# KiCad board Batch 1.kicad_pcb (continued)
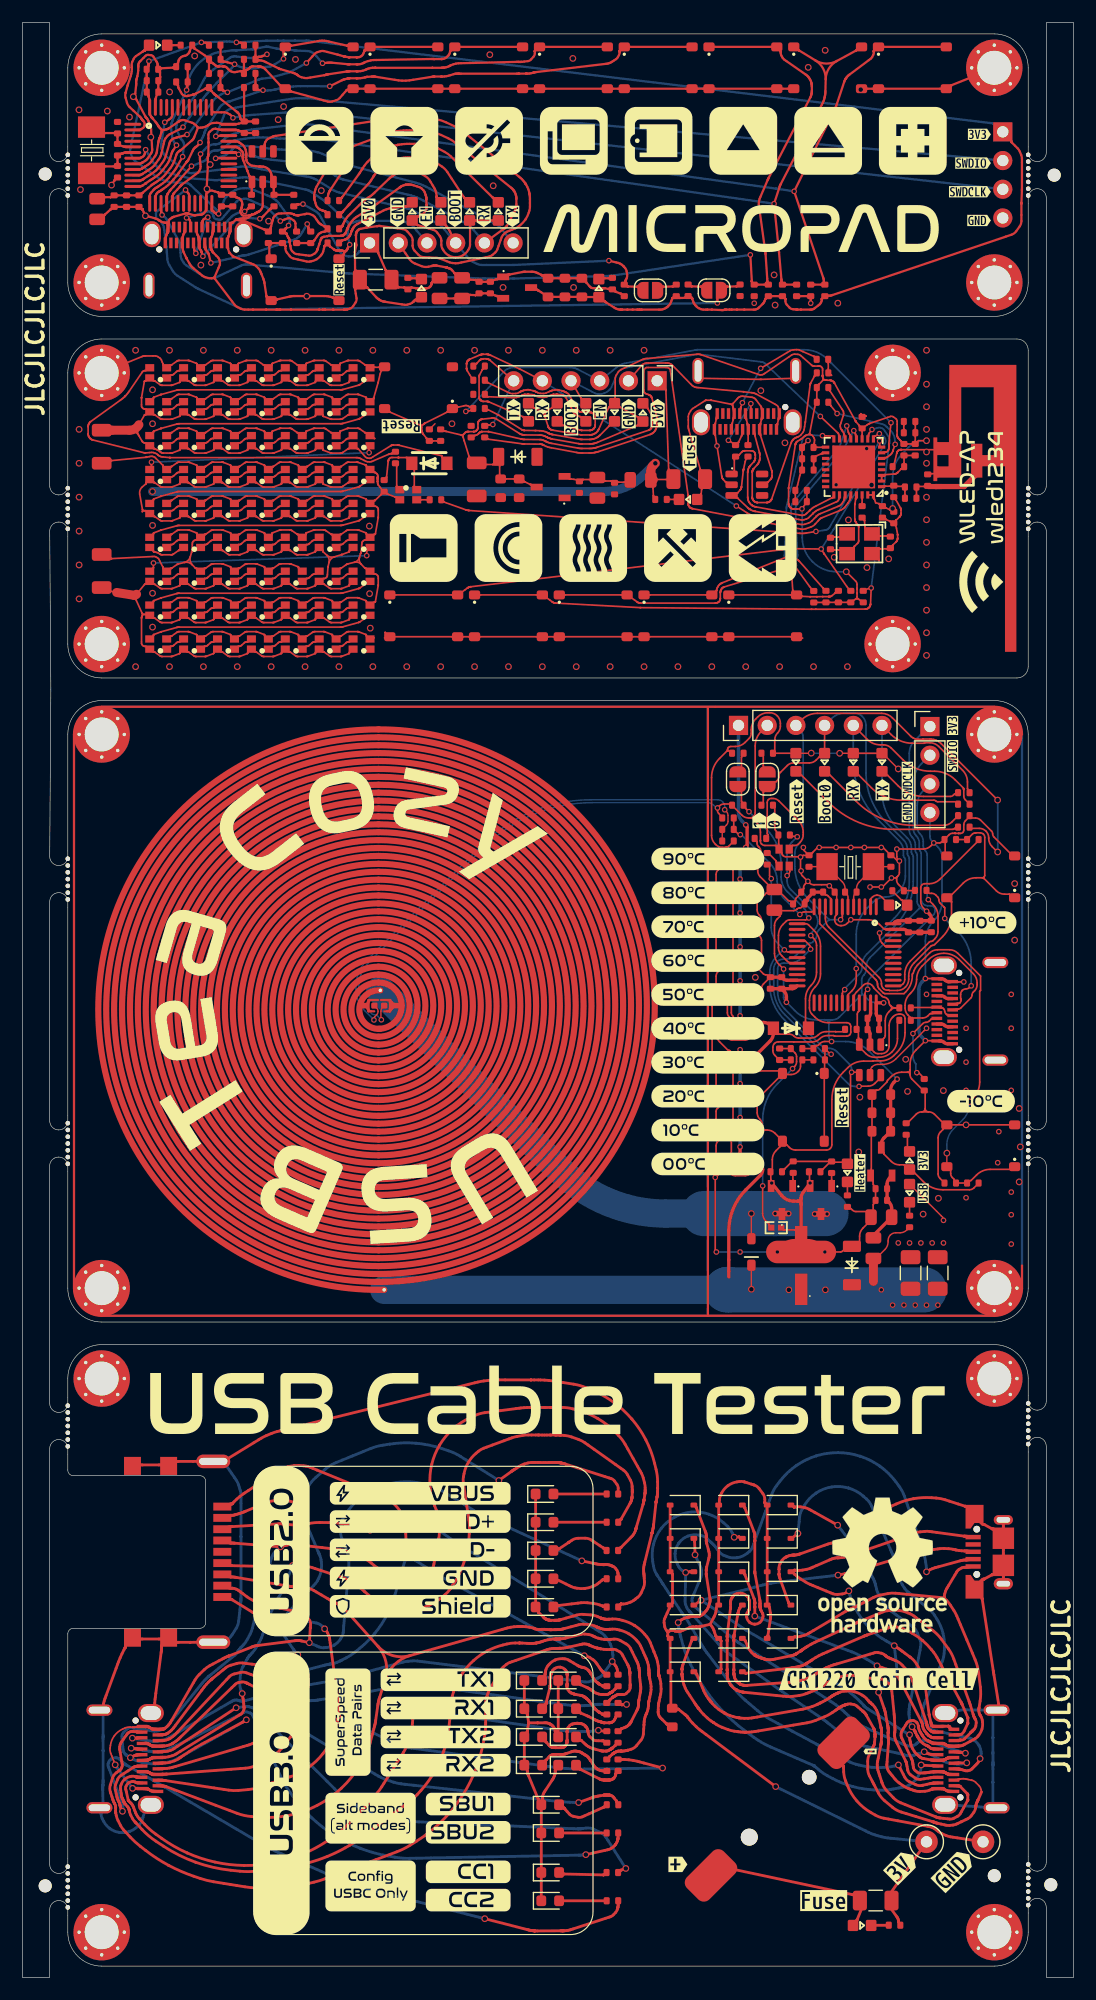
[diagram p0: board, top side]
## Routing (per net, layer and track width the routed paths; a pad name or vN(x,y) marks a point on that pad's centre or on a via; arc(x,y) is an arc through that point) (continued)
  Top w0.2: R3.1 24.31,156.9 arc(24.32,156.9) 24.32,156.9 24.32,156.9 arc(24.32,156.9) 24.32,156.9 24.33,156.9 arc(24.34,156.9) 24.35,156.9 24.37,156.9 arc(24.38,156.9) 24.39,156.9 arc(24.4,156.9) 24.41,156.91 v2(24.82,156.94) ; J2.1 31.42,152.79 arc(31.45,152.75) 31.46,152.7 31.46,152.64 arc(31.46,152.64) 31.46,152.63 31.46,152.62 arc(31.46,152.62) 31.47,152.61 arc(31.47,152.61) 31.47,152.61 32.13,151.09 arc(32.13,151.09) 32.14,151.08 32.14,151.08 arc(32.14,151.08) 32.14,151.08 arc(32.14,151.08) 32.14,151.08 32.41,150.64 arc(32.67,150.26) 32.96,149.91 33.27,149.58 arc(33.27,149.58) 33.27,149.58 arc(33.27,149.58) 33.27,149.58 33.27,149.58 arc(33.27,149.58) 33.28,149.58 33.78,149.55 arc(33.78,149.55) 33.78,149.55 arc(33.78,149.55) 33.78,149.55 arc(33.78,149.55) 33.79,149.55 33.94,149.47 arc(34.1,149.43) 34.26,149.47 34.41,149.55 arc(34.42,149.55) 34.42,149.55 34.42,149.55 arc(34.42,149.55) 34.43,149.55 34.79,149.5 arc(34.79,149.5) 34.8,149.5 arc(34.81,149.5) 34.81,149.5 34.83,149.5 arc(34.83,149.5) 34.84,149.5 35.71,149.5 arc(35.71,149.5) 35.72,149.5 35.72,149.5 arc(35.73,149.5) 35.73,149.5 35.73,149.5 arc(35.74,149.5) 35.74,149.5 arc(35.74,149.5) 35.74,149.5 35.8,149.49 arc(35.86,149.5) 35.91,149.52 36.02,149.58 arc(36.07,149.61) 36.1,149.66 36.16,149.78 arc(36.17,149.79) 36.17,149.8 arc(36.18,149.81) 36.18,149.82 36.19,149.85 arc(36.19,149.86) 36.19,149.87 36.22,149.96 arc(36.22,149.97) 36.22,149.97 arc(36.22,149.98) 36.22,149.98 36.22,149.99 arc(36.23,149.99) 36.23,149.99 36.23,149.99 arc(36.23,150) 36.23,150 arc(36.23,150) 36.23,150 36.23,150 arc(36.23,150) 36.23,150 36.24,150.01 arc(36.24,150.01) 36.24,150.01 36.24,150.01 arc(36.24,150.01) 36.24,150.01 arc(36.25,150.01) 36.25,150.01 FB1.1
  Top w0.3: v2(64,102) 64.06,101.94 arc(64.11,101.87) 64.12,101.79 64.12,100.21 arc(64.11,100.13) 64.06,100.06 v2(64,100) 64,99.67 ; C72.1 64.77,90.48 arc(64.74,90.46) 64.7,90.45 63.59,90.45 arc(63.55,90.46) 63.53,90.48 arc(63.51,90.5) 63.5,90.54 v2(63.5,91.2) ; 62.5,62 62.5,66.07 arc(62.89,68.03) 64,69.69 65.28,70.97 arc(65.44,71.21) 65.5,71.5 arc(65.44,71.79) 65.28,72.03 64.83,72.48 arc(64.8,72.49) 64.77,72.48 arc(64.74,72.46) 64.7,72.45 63.59,72.45 arc(63.55,72.46) 63.53,72.48 arc(63.51,72.5) 63.5,72.54 v2(63.5,73.5) ; v2(63.5,79.1) 63.5,78.54 arc(63.51,78.5) 63.53,78.48 arc(63.55,78.46) 63.59,78.45 64.7,78.45 arc(64.74,78.46) 64.77,78.48 C68.1 ; v2(63.5,76.1) 63.5,75.54 arc(63.51,75.5) 63.53,75.48 arc(63.55,75.46) 63.59,75.45 64.7,75.45 arc(64.74,75.46) 64.77,75.48 C65.1 ; C70.1 64.77,96.48 arc(64.74,96.46) 64.7,96.45 63.59,96.45 arc(63.55,96.46) 63.53,96.48 arc(63.51,96.5) 63.5,96.54 v2(63.5,97.2) ; v2(63.5,94.2) 63.5,93.54 arc(63.51,93.5) 63.53,93.48 arc(63.55,93.46) 63.59,93.45 64.7,93.45 arc(64.74,93.46) 64.77,93.48 C60.1 ; 64.22,99.45 63.78,99.45 ; 64.22,99.45 64.7,99.45 arc(64.74,99.46) 64.77,99.48 C56.1 ; 64.22,99.45 arc(64.07,99.52) 64,99.67 ; 63.78,99.45 RGB65.2 ; 63.78,99.45 arc(63.93,99.52) 64,99.67 ; 66.21,84.24 66.2,84.26 arc(65.91,84.44) 65.58,84.51 64.84,84.51 arc(64.8,84.5) 64.77,84.48 arc(64.74,84.46) 64.7,84.45 63.59,84.45 arc(63.55,84.46) 63.53,84.48 arc(63.51,84.5) 63.5,84.54 v2(63.5,85.1) ; 66.21,84.24 arc(66.39,83.97) 66.45,83.66 66.45,83.58 arc(66.37,83.19) 66.15,82.86 64.77,81.48 arc(64.74,81.46) 64.7,81.45 RGB69.2 63.55,82.01 arc(63.54,82.05) 63.53,82.07 v2(63.5,82.1) ; 66.21,84.24 arc(66.44,83.99) 66.66,83.74 ; C61.1 64.77,87.48 arc(64.74,87.46) 64.7,87.45 63.59,87.45 arc(63.55,87.46) 63.53,87.48 arc(63.51,87.5) 63.5,87.54 v2(63.5,88.2)
  Top w0.8: v1(56,134) 55.8,133.8 arc(55.65,133.58) 55.6,133.32 55.6,132.75 arc(55.67,132.6) 55.82,132.55 ; 75.3,63.51 75.3,61.6 ; 7.84,136.93 9.46,136.93 arc(9.94,137.05) 10.29,137.41 ; 8.33,122.56 9.85,122.32 arc(9.98,122.33) 10.09,122.41
  Bottom w0.2: J2.1 30,152.79 arc(29.96,152.76) 29.91,152.75 29.85,152.75 arc(29.84,152.75) 29.83,152.75 29.81,152.74 arc(29.8,152.73) 29.79,152.72 29.68,152.59 arc(29.59,152.5) 29.48,152.44 29.36,152.38 arc(29.11,152.31) 28.86,152.3 arc(28.61,152.36) 28.38,152.47 28.27,152.54 arc(28.17,152.62) 28.1,152.72 27.97,152.95 26.33,155.91 arc(26.28,155.99) 26.22,156.06 26.08,156.19 arc(26.02,156.25) 25.94,156.3 25.78,156.4 v2(24.82,156.94)
  Bottom w0.3: v2(63.5,82.1) v2(63.5,79.1) v2(63.5,76.1) v2(63.5,73.5) ; v2(64,102) 63.68,102.32 arc(63.44,102.67) 63.36,103.09 J6.1 ; v2(63.5,85.1) v2(63.5,88.2) v2(63.5,91.2) v2(63.5,94.2) v2(63.5,97.2) 63.5,99.15 arc(63.56,99.47) 63.75,99.75 v2(64,100)
  Bottom w0.8: v1(56,134) 54.96,132.96 arc(53.34,131.88) 51.43,131.5 v1(11.5,131.5)
  Bottom w2.5: 62.31,60.85 HC1.1
  Bottom w4: 79.79,60.85 62.49,60.85 arc(62.45,60.86) 62.42,60.88 arc(62.4,60.89) 62.38,60.88 arc(62.35,60.86) 62.31,60.85
  vias: v1(11.5,140.5) v1(11.5,137.5) v1(11.5,128.5) v1(11.5,122.5) v1(11.5,119.5) v1(67.82,60.85) v1(71.05,60.85) v2(76,60.85) v2(77,59.5) v2(78,59.5) v2(79,59.5) v2(80,59.5) v2(81,59.5)
/VBUS: length 93.9
  Top w0.25: J11.B9 10.86,20.69 arc(10.93,20.68) 10.99,20.68 11.06,20.68 arc(11.06,20.68) 11.06,20.68 11.07,20.68 arc(11.08,20.68) 11.08,20.68 arc(11.08,20.68) 11.09,20.68 11.15,20.66 arc(11.17,20.65) 11.19,20.64 11.23,20.62 arc(11.24,20.61) 11.26,20.6 11.27,20.59 arc(11.27,20.58) 11.28,20.58 arc(11.28,20.58) 11.28,20.58 11.29,20.57 arc(11.31,20.55) 11.33,20.54 11.36,20.52 arc(11.38,20.51) 11.4,20.51 11.47,20.49 arc(11.48,20.49) 11.48,20.48 11.49,20.48 arc(11.49,20.48) 11.5,20.48 11.56,20.48 arc(11.63,20.48) 11.69,20.48 11.8,20.47 arc(11.98,20.46) 12.15,20.47 12.26,20.48 arc(12.33,20.48) 12.39,20.48 12.56,20.48 arc(12.67,20.49) 12.78,20.51 12.99,20.57 arc(13.09,20.61) 13.19,20.66 13.37,20.76 arc(13.45,20.81) 13.52,20.86 13.66,20.97 arc(13.73,21.03) 13.8,21.09 13.99,21.28 18.51,25.64 18.84,25.96 arc(18.96,26.04) 19.1,26.09 19.41,26.14 arc(19.56,26.15) 19.7,26.11 19.85,26.05 arc(19.85,26.04) 19.86,26.04 19.92,26.01 arc(19.99,25.98) 20.06,25.94 21.75,25.07 21.87,25.01 arc(21.91,24.99) 21.95,24.97 22.03,24.94 arc(22.07,24.93) 22.12,24.92 22.24,24.89 24.16,24.48 24.3,24.45 arc(24.35,24.44) 24.4,24.43 24.5,24.41 arc(24.54,24.4) 24.59,24.39 24.64,24.39 arc(24.64,24.39) 24.64,24.39 ; v1(42.15,43.98) 43.33,44.82 arc(43.35,44.84) 43.37,44.85 43.42,44.88 arc(43.44,44.9) 43.46,44.91 44.12,45.31 arc(44.26,45.39) 44.41,45.44 44.72,45.53 arc(44.87,45.56) 45.03,45.57 45.21,45.57 arc(45.23,45.57) 45.25,45.57 45.25,45.57 arc(45.27,45.57) 45.29,45.57 45.3,45.57 arc(45.31,45.57) 45.31,45.57 45.6,45.57 arc(45.62,45.57) 45.65,45.57 arc(45.67,45.57) 45.7,45.57 45.82,45.56 arc(45.96,45.56) 46.11,45.56 46.28,45.56 arc(46.42,45.56) 46.57,45.56 46.68,45.57 arc(46.71,45.57) 46.74,45.57 46.75,45.57 arc(46.77,45.57) 46.78,45.57 arc(46.8,45.57) 46.82,45.57 46.83,45.57 arc(46.85,45.57) 46.86,45.57 46.88,45.57 arc(46.88,45.57) 46.88,45.57 47.08,45.57 arc(47.08,45.57) 47.08,45.57 47.1,45.57 arc(47.12,45.57) 47.13,45.57 47.14,45.57 arc(47.16,45.57) 47.18,45.57 47.22,45.57 arc(47.24,45.57) 47.26,45.57 47.3,45.57 arc(47.32,45.57) 47.34,45.56 arc(47.36,45.56) 47.38,45.56 47.38,45.56 arc(47.4,45.56) 47.42,45.56 47.43,45.56 arc(47.45,45.56) 47.48,45.55 47.53,45.55 arc(47.56,45.54) 47.58,45.54 47.69,45.52 arc(47.74,45.51) 47.78,45.5 47.86,45.49 arc(47.9,45.47) 47.94,45.46 48.07,45.42 51.55,44.32 52.09,44.15 arc(52.25,44.06) 52.38,43.94 52.6,43.63 arc(52.68,43.47) 52.71,43.29 52.71,43.1 ; v1(24.36,28.55) 24.99,27.53 arc(25.09,27.33) 25.16,27.12 25.21,26.9 arc(25.29,26.47) 25.29,26.02 arc(25.23,25.58) 25.1,25.16 25.02,24.95 arc(24.92,24.75) 24.8,24.57 24.65,24.39 ; 17.68,40.67 18.29,40.87 arc(18.35,40.89) 18.41,40.89 18.51,40.89 arc(18.55,40.89) 18.59,40.9 18.67,40.91 arc(18.71,40.92) 18.75,40.92 19.18,41.05 arc(19.24,41.07) 19.3,41.09 19.43,41.13 arc(19.49,41.15) 19.55,41.18 21.27,41.89 21.64,42.04 arc(22.02,42.15) 22.41,42.19 23.21,42.19 arc(23.6,42.16) 23.98,42.05 v1(24.37,41.89) ; J11.B4 10.86,18.19 arc(10.93,18.18) 10.99,18.18 11.06,18.18 arc(11.06,18.18) 11.06,18.18 11.07,18.18 arc(11.08,18.18) 11.08,18.18 arc(11.08,18.18) 11.09,18.18 11.11,18.17 arc(11.13,18.17) 11.15,18.16 arc(11.17,18.15) 11.19,18.14 11.23,18.12 arc(11.24,18.11) 11.26,18.1 11.27,18.09 arc(11.27,18.09) 11.28,18.08 arc(11.28,18.08) 11.28,18.08 11.29,18.07 arc(11.31,18.05) 11.33,18.04 11.36,18.02 arc(11.38,18.01) 11.4,18.01 arc(11.42,18) 11.44,18 11.47,17.99 arc(11.48,17.99) 11.48,17.99 11.49,17.98 arc(11.49,17.98) 11.5,17.98 arc(11.5,17.98) 11.51,17.98 11.56,17.98 arc(11.63,17.98) 11.69,17.98 11.8,17.97 arc(11.98,17.96) 12.15,17.97 12.26,17.98 arc(12.33,17.98) 12.39,17.98 12.48,17.98 arc(12.52,17.98) 12.55,17.98 12.62,17.99 arc(12.65,17.99) 12.69,17.99 12.79,18 18.46,18.42 19.72,18.51 arc(20.13,18.58) 20.53,18.7 21.31,19.02 arc(21.69,19.21) 22.03,19.45 22.35,19.71 arc(22.35,19.72) 22.36,19.72 arc(22.36,19.72) 22.36,19.73 22.41,19.77 arc(22.42,19.77) 22.42,19.78 22.53,19.87 arc(22.64,19.97) 22.74,20.07 22.94,20.28 arc(23.03,20.39) 23.12,20.5 23.38,20.85 24.33,22.1 arc(24.5,22.39) 24.6,22.71 24.74,23.37 arc(24.77,23.71) 24.73,24.04 24.65,24.38 ; 24.65,24.39 arc(24.64,24.39) 24.64,24.39 ; 24.65,24.39 arc(24.65,24.39) 24.65,24.38 ; 24.65,24.38 arc(24.64,24.39) 24.64,24.39
  Bottom w0.25: v1(42.15,43.98) 38.75,46.11 arc(38.23,46.39) 37.69,46.61 37.13,46.8 arc(36,47.1) 34.84,47.27 arc(33.66,47.3) 32.49,47.2 31.91,47.11 arc(31.34,46.99) 30.78,46.8 29.22,46.16 27.72,45.55 arc(27.23,45.3) 26.79,44.98 25.96,44.25 arc(25.57,43.86) 25.26,43.41 v1(24.37,41.89) 26.15,37.69 arc(26.17,37.64) 26.2,37.58 26.21,37.54 arc(26.22,37.53) 26.22,37.52 26.31,37.33 arc(26.38,37.15) 26.41,36.96 26.44,36.77 arc(26.46,36.39) 26.42,36.01 arc(26.33,35.64) 26.19,35.29 26.1,35.12 arc(26,34.96) 25.88,34.81 25.49,34.39 23.55,32.36 23.06,31.84 arc(22.93,31.65) 22.87,31.43 22.84,30.95 arc(22.86,30.72) 22.95,30.52 23.36,29.92 24.02,28.95 arc(24.04,28.92) 24.06,28.9 24.1,28.84 arc(24.12,28.82) 24.14,28.79 24.24,28.67 arc(24.25,28.65) 24.27,28.64 24.3,28.6 arc(24.32,28.59) 24.33,28.57 24.34,28.56 arc(24.35,28.55) 24.35,28.55 v1(24.36,28.55)
GND: length 912.8
  Top w0.127: C34.2 36.5,137.5 ; R62.1 31.86,85.86 arc(31.75,85.7) 31.71,85.51 31.71,84.81 arc(31.72,84.79) 31.73,84.77 v2(31.75,84.75) ; 66.72,139.14 66.82,139.07 arc(66.84,139.05) 66.86,139.02 66.89,138.97 arc(66.9,138.94) 66.9,138.91 66.9,138.84 arc(66.9,138.81) 66.91,138.78 66.94,138.6 arc(66.96,138.4) 66.94,138.2
  Top w0.13: C67.2 71.96,95.96 arc(72.03,95.86) 72.05,95.74 72.05,94.44
  Top w0.15: 30.59,121.58 30.45,121.68 arc(30.43,121.7) 30.43,121.74 30.43,121.79 arc(30.42,121.8) 30.42,121.81 30.41,121.83 arc(30.4,121.84) 30.39,121.84 arc(30.38,121.85) 30.37,121.85 29.75,122.08 arc(29.74,122.09) 29.72,122.09 29.69,122.1 arc(29.68,122.1) 29.66,122.1 28.83,122.1 arc(28.8,122.1) 28.78,122.09 28.73,122.08 arc(28.71,122.07) 28.68,122.06 28.64,122.03 28.2,121.72 arc(28.19,121.71) 28.19,121.71 arc(28.18,121.71) 28.18,121.71 28.17,121.7 arc(28.16,121.7) 28.16,121.7 28.11,121.7 arc(28.08,121.69) 28.05,121.68 27.91,121.58 arc(27.75,121.52) 27.59,121.58 27.45,121.68 arc(27.43,121.7) 27.43,121.74 27.43,121.79 arc(27.42,121.8) 27.42,121.81 27.41,121.83 arc(27.4,121.84) 27.39,121.84 arc(27.38,121.85) 27.37,121.85 26.75,122.08 arc(26.74,122.09) 26.72,122.09 26.69,122.1 arc(26.68,122.1) 26.66,122.1 25.83,122.1 arc(25.8,122.1) 25.78,122.09 25.73,122.08 arc(25.71,122.07) 25.68,122.06 25.64,122.03 25.2,121.72 arc(25.19,121.71) 25.19,121.71 arc(25.18,121.71) 25.18,121.71 25.17,121.7 arc(25.16,121.7) 25.16,121.7 25.11,121.7 arc(25.08,121.69) 25.05,121.68 24.91,121.58 arc(24.75,121.52) 24.59,121.58 24.45,121.68 arc(24.43,121.7) 24.43,121.74 24.43,121.79 arc(24.42,121.8) 24.42,121.81 24.41,121.83 arc(24.4,121.84) 24.39,121.84 arc(24.38,121.85) 24.37,121.85 23.75,122.08 arc(23.74,122.09) 23.72,122.09 23.69,122.1 arc(23.68,122.1) 23.66,122.1 22.83,122.1 arc(22.8,122.1) 22.78,122.09 22.73,122.08 arc(22.71,122.07) 22.68,122.06 22.64,122.03 22.2,121.72 arc(22.19,121.71) 22.19,121.71 arc(22.18,121.71) 22.18,121.71 22.17,121.7 arc(22.16,121.7) 22.16,121.7 22.11,121.7 arc(22.08,121.69) 22.05,121.68 21.91,121.58 arc(21.75,121.52) 21.59,121.58 21.45,121.68 arc(21.43,121.7) 21.43,121.74 21.43,121.79 arc(21.42,121.8) 21.42,121.81 21.41,121.83 arc(21.4,121.84) 21.39,121.84 arc(21.38,121.85) 21.37,121.85 20.75,122.08 arc(20.74,122.09) 20.72,122.09 20.69,122.1 arc(20.68,122.1) 20.66,122.1 19.83,122.1 arc(19.8,122.1) 19.78,122.09 19.73,122.08 arc(19.71,122.07) 19.68,122.06 19.64,122.03 19.2,121.72 arc(19.19,121.71) 19.19,121.71 arc(19.18,121.71) 19.18,121.71 19.17,121.7 arc(19.16,121.7) 19.16,121.7 19.11,121.7 arc(19.08,121.69) 19.05,121.68 18.91,121.58 arc(18.75,121.52) 18.59,121.58 18.45,121.68 arc(18.43,121.7) 18.43,121.74 18.43,121.79 arc(18.42,121.8) 18.42,121.81 18.41,121.83 arc(18.4,121.84) 18.39,121.84 arc(18.38,121.85) 18.37,121.85 17.75,122.08 arc(17.74,122.09) 17.72,122.09 17.69,122.1 arc(17.68,122.1) 17.66,122.1 16.82,122.1 arc(16.8,122.1) 16.78,122.09 16.73,122.08 arc(16.71,122.07) 16.68,122.06 16.64,122.03 16.2,121.72 arc(16.19,121.71) 16.19,121.71 arc(16.18,121.71) 16.18,121.71 16.17,121.7 arc(16.16,121.7) 16.16,121.7 16.11,121.7 arc(16.08,121.69) 16.05,121.68 15.91,121.58 arc(15.75,121.52) 15.59,121.58 15.45,121.68 arc(15.43,121.7) 15.43,121.74 15.43,121.79 arc(15.42,121.8) 15.42,121.81 15.41,121.83 arc(15.4,121.84) 15.39,121.84 arc(15.38,121.85) 15.37,121.85 14.75,122.08 arc(14.74,122.09) 14.72,122.09 14.69,122.1 arc(14.68,122.1) 14.66,122.1 13.82,122.1 arc(13.8,122.1) 13.78,122.09 13.73,122.08 arc(13.71,122.07) 13.68,122.06 13.64,122.03 13.2,121.72 arc(13.19,121.71) 13.19,121.71 arc(13.18,121.71) 13.18,121.71 13.17,121.7 arc(13.16,121.7) 13.16,121.7 13.11,121.7 arc(13.08,121.69) 13.05,121.68 RGB57.3 ; 30.59,121.58 30.91,121.33 arc(30.85,121.45) 30.91,121.58 ; 30.59,121.58 arc(30.75,121.52) 30.91,121.58 ; RGB38.3 33.08,131 arc(33.05,131.01) 33.02,131.02 32.98,131.02 arc(32.97,131.02) 32.97,131.02 32.96,131.02 arc(32.96,131.02) 32.96,131.02 arc(32.95,131.03) 32.95,131.03 32.3,131.28 arc(32.3,131.28) 32.3,131.28 arc(32.3,131.28) 32.3,131.28 arc(32.3,131.28) 32.29,131.28 32.15,131.39 ; 65.1,77.7 65.1,77.7 arc(65.11,77.71) 65.11,77.72 65.11,77.76 arc(65.12,77.81) 65.14,77.85 66.89,79.59 ; v2(68.85,99.15) 68.85,98.02 arc(68.86,97.98) 68.88,97.96 v2(68.9,97.93) 68.9,97.77 arc(68.93,97.61) 69.02,97.48 v2(69.5,97) ; v2(68.85,99.15) 68.92,99.23 arc(69.01,99.28) 69.11,99.3 69.28,99.3 ; v2(68.85,99.15) 68.84,99.16 arc(68.82,99.17) 68.81,99.18 67.56,99.18 arc(67.42,99.2) 67.31,99.28 67.25,99.34 arc(67.21,99.39) 67.2,99.46 arc(67.19,99.52) 67.16,99.58 67.05,99.72 ; 29.38,125.24 28.76,125.09 arc(28.74,125.08) 28.73,125.08 28.7,125.06 arc(28.69,125.06) 28.68,125.05 28.2,124.72 arc(28.19,124.71) 28.19,124.71 arc(28.18,124.71) 28.18,124.71 28.17,124.7 arc(28.16,124.7) 28.16,124.7 28.11,124.7 arc(28.08,124.69) 28.05,124.68 RGB49.3 ; 29.38,125.24 arc(29.65,125.39) 29.81,125.65 ; 29.38,125.24 arc(29.69,125.24) 29.95,125.08 ; 15.91,127.58 15.59,127.33 ; 15.91,127.58 16.05,127.68 arc(16.08,127.69) 16.11,127.7 16.16,127.7 arc(16.16,127.7) 16.17,127.7 16.18,127.71 arc(16.18,127.71) 16.19,127.71 arc(16.19,127.71) 16.2,127.72 16.64,128.03 16.68,128.06 arc(16.71,128.07) 16.73,128.08 16.78,128.09 arc(16.8,128.1) 16.82,128.1 17.66,128.1 arc(17.68,128.1) 17.69,128.1 17.72,128.09 arc(17.74,128.09) 17.75,128.08 18.37,127.85 arc(18.38,127.85) 18.39,127.84 arc(18.4,127.84) 18.41,127.83 18.42,127.81 arc(18.42,127.8) 18.43,127.79 18.43,127.74 arc(18.43,127.7) 18.45,127.68 18.59,127.58 arc(18.75,127.52) 18.91,127.58 19.05,127.68 arc(19.08,127.69) 19.11,127.7 19.16,127.7 arc(19.16,127.7) 19.17,127.7 19.18,127.71 arc(19.18,127.71) 19.19,127.71 arc(19.19,127.71) 19.2,127.72 19.64,128.03 19.68,128.06 arc(19.71,128.07) 19.73,128.08 19.78,128.09 arc(19.8,128.1) 19.83,128.1 20.66,128.1 arc(20.68,128.1) 20.69,128.1 20.72,128.09 arc(20.74,128.09) 20.75,128.08 21.37,127.85 arc(21.38,127.85) 21.39,127.84 arc(21.4,127.84) 21.41,127.83 21.42,127.81 arc(21.42,127.8) 21.43,127.79 21.43,127.74 arc(21.43,127.7) 21.45,127.68 21.59,127.58 arc(21.75,127.52) 21.91,127.58 22.05,127.68 arc(22.07,127.7) 22.08,127.74 22.08,127.79 arc(22.08,127.8) 22.08,127.81 22.09,127.83 arc(22.1,127.84) 22.11,127.84 22.13,127.85 22.75,128.08 arc(22.76,128.09) 22.78,128.09 22.81,128.1 arc(22.82,128.1) 22.84,128.1 23.67,128.1 arc(23.7,128.1) 23.72,128.09 23.77,128.08 arc(23.79,128.07) 23.82,128.06 24.3,127.72 arc(24.31,127.71) 24.31,127.71 arc(24.32,127.71) 24.32,127.71 24.33,127.7 arc(24.34,127.7) 24.34,127.7 24.39,127.7 arc(24.42,127.69) 24.45,127.68 24.59,127.58 arc(24.75,127.52) 24.91,127.58 25.05,127.68 arc(25.07,127.7) 25.08,127.74 25.08,127.79 arc(25.08,127.8) 25.08,127.81 25.09,127.83 arc(25.1,127.84) 25.11,127.84 25.13,127.85 25.75,128.08 arc(25.76,128.09) 25.78,128.09 25.81,128.1 arc(25.82,128.1) 25.84,128.1 26.67,128.1 arc(26.7,128.1) 26.72,128.09 26.77,128.08 arc(26.79,128.07) 26.82,128.06 27.3,127.72 arc(27.31,127.71) 27.31,127.71 arc(27.32,127.71) 27.32,127.71 27.33,127.7 arc(27.34,127.7) 27.34,127.7 27.39,127.7 arc(27.42,127.69) 27.45,127.68 27.59,127.58 arc(27.75,127.52) 27.91,127.58 28.05,127.68 arc(28.08,127.69) 28.11,127.7 28.16,127.7 arc(28.16,127.7) 28.17,127.7 28.18,127.71 arc(28.18,127.71) 28.19,127.71 arc(28.19,127.71) 28.2,127.72 28.64,128.03 28.68,128.06 arc(28.71,128.07) 28.73,128.08 28.78,128.09 arc(28.8,128.1) 28.83,128.1 29.66,128.1 arc(29.68,128.1) 29.69,128.1 29.72,128.09 arc(29.74,128.09) 29.75,128.08 30.37,127.85 arc(30.38,127.85) 30.39,127.84 arc(30.4,127.84) 30.41,127.83 30.42,127.81 arc(30.42,127.8) 30.43,127.79 30.43,127.74 arc(30.43,127.7) 30.45,127.68 30.59,127.58 ; 15.91,127.58 arc(15.75,127.52) 15.59,127.58 ; 15.59,127.33 15.45,127.22 arc(15.42,127.21) 15.39,127.2 15.29,127.2 arc(15.23,127.19) 15.18,127.16 15.08,127.07 arc(15.05,127.02) 15.03,126.96 14.97,126.19 arc(14.97,126.18) 14.97,126.18 14.97,126.16 arc(14.97,126.15) 14.96,126.14 14.84,125.72 ; 15.59,127.33 arc(15.65,127.45) 15.59,127.58 ; J5.2 54.71,142.56 54.81,142.68 arc(54.87,142.74) 54.94,142.78 55.08,142.84 arc(55.15,142.87) 55.23,142.88 57.08,142.88 arc(57.16,142.87) 57.22,142.85 57.36,142.79 arc(57.42,142.75) 57.48,142.71 57.58,142.6 59.24,140.9 arc(59.3,140.85) 59.36,140.81 59.49,140.75 arc(59.56,140.72) 59.63,140.71 59.78,140.7 63.78,140.33 arc(63.79,140.33) 63.81,140.33 arc(63.82,140.33) 63.83,140.33 64.52,140.25 64.61,140.24 arc(64.65,140.23) 64.7,140.22 64.79,140.19 arc(64.83,140.17) 64.87,140.16 64.95,140.11 66.58,139.24 arc(66.65,139.19) 66.72,139.14 ; 65.06,98.24 65.06,98.24 arc(65.06,98.24) 65.06,98.24 65.06,97.94 arc(65.12,97.65) 65.28,97.41 65.95,96.75 ; 30.91,127.58 30.59,127.33 ; 30.91,127.58 31.05,127.68 arc(31.08,127.69) 31.11,127.7 31.16,127.7 arc(31.18,127.7) 31.19,127.71 31.21,127.73 arc(31.22,127.74) 31.22,127.75 31.47,129.16 arc(31.47,129.17) 31.47,129.18 arc(31.47,129.18) 31.47,129.19 31.47,129.2 arc(31.47,129.21) 31.48,129.22 31.48,129.94 arc(31.46,130) 31.43,130.06 31.33,130.15 arc(31.28,130.19) 31.22,130.2 31.11,130.2 arc(31.08,130.21) 31.05,130.22 30.91,130.33 ; 30.91,127.58 arc(30.75,127.52) 30.59,127.58 ; 30.59,127.33 30.45,127.22 arc(30.42,127.21) 30.39,127.2 30.29,127.2 arc(30.23,127.19) 30.18,127.16 30.08,127.07 arc(30.05,127.02) 30.03,126.96 29.98,126.22 29.97,126.19 arc(29.97,126.17) 29.97,126.15 29.96,126.12 arc(29.95,126.11) 29.95,126.09 29.94,126.08 arc(29.94,126.08) 29.94,126.08 29.94,126.07 arc(29.93,126.06) 29.92,126.05 29.92,126.02 arc(29.91,126.01) 29.91,126 arc(29.9,125.98) 29.9,125.97 29.81,125.65 ; 30.59,127.33 arc(30.65,127.45) 30.59,127.58 ; 61.66,77.08 61.7,77.12 arc(61.72,77.15) 61.72,77.19 61.72,77.26 arc(61.73,77.3) 61.75,77.32 RGB72.3 ; 61.66,77.08 61.53,76.96 ; 61.66,77.08 arc(61.6,77.06) 61.53,77.08 ; 84.08,102.61 84.34,102.61 arc(84.58,102.56) 84.78,102.42 85.75,101.45 arc(85.83,101.33) 85.86,101.19 arc(85.88,101.05) 85.96,100.93 87.34,99.56 ; 66.22,70.98 66.22,70.53 arc(66.22,70.5) 66.22,70.46 66.24,70.17 arc(66.26,70.15) 66.28,70.17 ; 67.65,79.9 68.02,79.9 arc(68.33,79.97) 68.6,80.15 68.67,80.22 arc(68.8,80.41) 68.85,80.64 68.85,80.88 ; 77.79,96.46 77.52,96.72 arc(77.4,96.91) 77.36,97.13 77.36,97.32 ; 33,118.65 68.29,118.65 arc(68.5,118.63) 68.7,118.59 68.89,118.54 arc(68.93,118.53) 68.96,118.53 69.04,118.53 ; J6.2 65.37,110.27 arc(64.97,109.68) 64.83,108.98 64.83,103.08 arc(64.8,102.9) 64.7,102.75 ; 67.01,73.51 67.01,73.5 arc(67.01,73.5) 67.01,73.5 66.68,73.17 arc(66.44,72.8) 66.35,72.37 66.35,71.62 ; 65.1,74.7 65.14,74.7 arc(65.18,74.71) 65.22,74.73 65.33,74.85 ; 32.71,118.65 32.93,118.65 ; 32.71,118.65 arc(32.5,118.64) 32.29,118.6 ; 32.71,118.65 arc(32.51,118.69) 32.34,118.79 ; 61.44,92.81 61.41,92.84 arc(61.38,92.88) 61.37,92.92 61.37,95.55 arc(61.38,95.6) 61.41,95.64 ; 61.44,92.81 61.45,92.8 ; 61.44,92.81 arc(61.44,92.81) 61.44,92.8 ; 76.59,99.56 76.2,99.95 arc(76.14,99.99) 76.07,100 v2(76,100) v2(74.5,100) v2(73.3,100) v2(72,100) v2(70.5,100) 70.43,100 arc(70.37,99.99) 70.31,99.95 69.91,99.55 arc(69.91,99.55) 69.91,99.54 arc(69.91,99.53) 69.9,99.52 69.9,99.52 ; 61.42,80.23 61.41,80.22 arc(61.38,80.18) 61.37,80.13 61.37,77.4 arc(61.4,77.25) 61.49,77.13 61.53,77.08 ; 61.42,80.23 61.47,80.28 ; 61.42,80.23 arc(61.43,80.25) 61.42,80.28 ; RGB58.3 13.05,118.68 arc(13.08,118.69) 13.11,118.7 13.16,118.7 arc(13.16,118.7) 13.17,118.7 13.18,118.71 arc(13.18,118.71) 13.19,118.71 arc(13.19,118.71) 13.2,118.72 13.64,119.03 13.68,119.06 arc(13.71,119.07) 13.73,119.08 13.78,119.09 arc(13.8,119.1) 13.82,119.1 14.66,119.1 arc(14.68,119.1) 14.69,119.1 14.72,119.09 arc(14.74,119.09) 14.75,119.08 15.37,118.85 arc(15.38,118.85) 15.39,118.84 arc(15.4,118.84) 15.41,118.83 15.42,118.81 arc(15.42,118.8) 15.43,118.79 15.43,118.74 arc(15.43,118.7) 15.45,118.68 15.59,118.58 arc(15.75,118.52) 15.91,118.58 16.05,118.68 arc(16.08,118.69) 16.11,118.7 16.16,118.7 arc(16.16,118.7) 16.17,118.7 16.18,118.71 arc(16.18,118.71) 16.19,118.71 arc(16.19,118.71) 16.2,118.72 16.64,119.03 16.68,119.06 arc(16.71,119.07) 16.73,119.08 16.78,119.09 arc(16.8,119.1) 16.82,119.1 17.66,119.1 arc(17.68,119.1) 17.69,119.1 17.72,119.09 arc(17.74,119.09) 17.75,119.08 18.37,118.85 arc(18.38,118.85) 18.39,118.84 arc(18.4,118.84) 18.41,118.83 18.42,118.81 arc(18.42,118.8) 18.43,118.79 18.43,118.74 arc(18.43,118.7) 18.45,118.68 18.59,118.58 arc(18.75,118.52) 18.91,118.58 19.05,118.68 arc(19.08,118.69) 19.11,118.7 19.16,118.7 arc(19.16,118.7) 19.17,118.7 19.18,118.71 arc(19.18,118.71) 19.19,118.71 arc(19.19,118.71) 19.2,118.72 19.64,119.03 19.68,119.06 arc(19.71,119.07) 19.73,119.08 19.78,119.09 arc(19.8,119.1) 19.83,119.1 20.66,119.1 arc(20.68,119.1) 20.69,119.1 20.72,119.09 arc(20.74,119.09) 20.75,119.08 21.37,118.85 arc(21.38,118.85) 21.39,118.84 arc(21.4,118.84) 21.41,118.83 21.42,118.81 arc(21.42,118.8) 21.43,118.79 21.43,118.74 arc(21.43,118.7) 21.45,118.68 21.59,118.58 arc(21.75,118.52) 21.91,118.58 22.05,118.68 arc(22.08,118.69) 22.11,118.7 22.16,118.7 arc(22.16,118.7) 22.17,118.7 22.18,118.71 arc(22.18,118.71) 22.19,118.71 arc(22.19,118.71) 22.2,118.72 22.64,119.03 22.68,119.06 arc(22.71,119.07) 22.73,119.08 22.78,119.09 arc(22.8,119.1) 22.83,119.1 23.66,119.1 arc(23.68,119.1) 23.69,119.1 23.72,119.09 arc(23.74,119.09) 23.75,119.08 24.37,118.85 arc(24.38,118.85) 24.39,118.84 arc(24.4,118.84) 24.41,118.83 24.42,118.81 arc(24.42,118.8) 24.43,118.79 24.43,118.74 arc(24.43,118.7) 24.45,118.68 24.59,118.58 arc(24.75,118.52) 24.91,118.58 25.05,118.68 arc(25.08,118.69) 25.11,118.7 25.16,118.7 arc(25.16,118.7) 25.17,118.7 25.18,118.71 arc(25.18,118.71) 25.19,118.71 arc(25.19,118.71) 25.2,118.72 25.64,119.03 25.68,119.06 arc(25.71,119.07) 25.73,119.08 25.78,119.09 arc(25.8,119.1) 25.83,119.1 26.66,119.1 arc(26.68,119.1) 26.69,119.1 26.72,119.09 arc(26.74,119.09) 26.75,119.08 27.37,118.85 arc(27.38,118.85) 27.39,118.84 arc(27.4,118.84) 27.41,118.83 27.42,118.81 arc(27.42,118.8) 27.43,118.79 27.43,118.74 arc(27.43,118.7) 27.45,118.68 27.59,118.58 arc(27.75,118.52) 27.91,118.58 28.05,118.68 arc(28.08,118.69) 28.11,118.7 28.16,118.7 arc(28.16,118.7) 28.17,118.7 28.18,118.71 arc(28.18,118.71) 28.19,118.71 arc(28.19,118.71) 28.2,118.72 28.64,119.03 28.68,119.06 arc(28.71,119.07) 28.73,119.08 28.78,119.09 arc(28.8,119.1) 28.83,119.1 29.66,119.1 arc(29.68,119.1) 29.69,119.1 29.72,119.09 arc(29.74,119.09) 29.75,119.08 30.37,118.85 arc(30.38,118.85) 30.39,118.84 arc(30.4,118.84) 30.41,118.83 30.42,118.81 arc(30.42,118.8) 30.43,118.79 30.43,118.74 arc(30.43,118.7) 30.45,118.68 30.62,118.55 arc(30.76,118.49) 30.91,118.5 31.04,118.54 arc(31.08,118.55) 31.11,118.55 ; v2(77.6,98.8) 77.48,98.92 arc(77.4,99.04) 77.37,99.19 v2(77.37,99.86) 79.72,99.86 arc(80.07,99.93) 80.37,100.13 v2(80.64,100.4) 81.17,100.4 arc(81.23,100.41) 81.28,100.45 81.32,100.49 ; v2(77.6,98.8) 77.6,97.78 arc(77.57,97.62) 77.48,97.49 77.39,97.4 ; v2(77.6,98.8) 77.52,98.8 arc(77.45,98.81) 77.39,98.85 77.15,99.1 ; 74.19,138.38 74.19,138.34 arc(74.19,138.31) 74.21,138.27 74.25,138.21 arc(74.32,138.14) 74.41,138.14 74.51,138.16 arc(74.55,138.17) 74.58,138.17 74.62,138.17 arc(74.62,138.17) 74.62,138.17 74.63,138.17 arc(74.63,138.17) 74.63,138.17 arc(74.63,138.17) 74.63,138.17 ; 32.29,118.6 32.11,118.56 arc(32.07,118.55) 32.04,118.55 ; 32.29,118.6 arc(32.37,118.68) 32.34,118.79 ; 87.3,75.45 v1(83.5,75.45) 82.3,75.45 ; 61.89,71.43 61.75,71.32 arc(61.73,71.3) 61.72,71.26 61.72,71.21 arc(61.72,71.2) 61.71,71.18 61.34,70.81 arc(61.33,70.8) 61.32,70.8 v2(61.3,70.8) 61.3,64.37 arc(61.31,64.31) 61.35,64.25 v2(61.4,64.2) ; 61.89,71.43 arc(61.95,71.55) 61.89,71.68 ; 61.89,71.43 arc(62.05,71.48) 62.21,71.43 ; 69.12,96.35 69.12,96.35 arc(69.12,96.35) 69.12,96.35 69.12,96.49 arc(69.15,96.61) 69.22,96.72 v2(69.5,97) ; RGB2.3 13.05,127.68 arc(13.08,127.69) 13.11,127.7 13.16,127.7 arc(13.16,127.7) 13.17,127.7 13.18,127.71 arc(13.18,127.71) 13.19,127.71 arc(13.19,127.71) 13.2,127.72 13.64,128.03 13.68,128.06 arc(13.71,128.07) 13.73,128.08 13.78,128.09 arc(13.8,128.1) 13.82,128.1 14.66,128.1 arc(14.68,128.1) 14.69,128.1 14.72,128.09 arc(14.74,128.09) 14.75,128.08 15.37,127.85 arc(15.38,127.85) 15.39,127.84 arc(15.4,127.84) 15.41,127.83 15.42,127.81 arc(15.42,127.8) 15.43,127.79 15.43,127.74 arc(15.43,127.7) 15.45,127.68 15.59,127.58 ; v2(69.5,97) 69.65,96.85 arc(69.82,96.74) 70.01,96.7 71.24,96.7 arc(71.3,96.69) 71.35,96.65 v2(71.4,96.61) 71.66,96.35 ; C49.2 77.99,137.58 ; 31.87,131.37 31.74,131.25 arc(31.74,131.24) 31.74,131.24 arc(31.74,131.24) 31.74,131.24 31.74,131.24 arc(31.74,131.24) 31.74,131.24 31.2,130.72 arc(31.19,130.71) 31.19,130.71 31.17,130.7 arc(31.16,130.7) 31.16,130.7 31.11,130.7 arc(31.08,130.69) 31.05,130.68 30.91,130.58 ; 31.87,131.37 arc(31.92,131.49) 31.87,131.61 ; 31.87,131.37 arc(32,131.43) 32.15,131.39 ; 77.32,97.33 77.39,97.4 ; 77.32,97.33 arc(77.34,97.34) 77.36,97.32 ; 77.32,97.33 arc(77.29,97.31) 77.25,97.3 v2(76.9,97.3) 76.14,96.54 arc(76.1,96.51) 76.05,96.5 v2(76,96.5) v2(75,96.5) ; 77.39,97.4 arc(77.36,97.36) 77.36,97.32 ; 75.54,78.51 75.54,78.52 arc(75.54,78.52) 75.55,78.52 75.66,78.52 arc(75.76,78.54) 75.85,78.6 76.49,79.24 arc(76.52,79.28) 76.53,79.32 arc(76.53,79.36) 76.56,79.4 76.9,79.74 arc(77.31,80.01) 77.79,80.11 78.32,80.11 ; 30.91,121.58 31.05,121.68 arc(31.08,121.69) 31.11,121.7 31.16,121.7 arc(31.18,121.7) 31.19,121.71 31.21,121.73 arc(31.22,121.74) 31.22,121.75 31.47,123.16 arc(31.47,123.17) 31.47,123.18 arc(31.47,123.18) 31.47,123.19 31.47,123.2 arc(31.47,123.21) 31.48,123.22 31.48,123.94 arc(31.46,124) 31.43,124.06 31.33,124.15 arc(31.28,124.19) 31.22,124.2 31.11,124.2 arc(31.08,124.21) 31.05,124.22 30.45,124.68 arc(30.42,124.69) 30.39,124.7 30.34,124.7 arc(30.33,124.7) 30.33,124.7 30.31,124.71 arc(30.31,124.71) 30.3,124.72 29.95,125.08 ; 72.61,64.32 72.54,64.26 arc(72.48,64.22) 72.4,64.2 v2(71,64.2) ; 75.33,70.12 75.3,70.14 arc(75.28,70.17) 75.28,70.21 75.28,70.47 arc(75.27,70.5) 75.26,70.54 75.15,70.76 arc(75.08,70.97) 75.08,71.19 75.11,71.39 arc(75.11,71.42) 75.11,71.46 75.11,74.4 ; RGB17.3 13.05,139.68 arc(13.08,139.69) 13.11,139.7 13.16,139.7 arc(13.16,139.7) 13.17,139.7 13.18,139.71 arc(13.18,139.71) 13.19,139.71 arc(13.19,139.71) 13.2,139.72 13.64,140.03 13.68,140.06 arc(13.71,140.07) 13.73,140.08 13.78,140.09 arc(13.8,140.1) 13.82,140.1 14.66,140.1 arc(14.68,140.1) 14.69,140.1 14.72,140.09 arc(14.74,140.09) 14.75,140.08 15.37,139.85 arc(15.38,139.85) 15.39,139.84 arc(15.4,139.84) 15.41,139.83 15.42,139.81 arc(15.42,139.8) 15.43,139.79 15.43,139.74 arc(15.43,139.7) 15.45,139.68 15.59,139.58 arc(15.75,139.52) 15.91,139.58 16.05,139.68 arc(16.08,139.69) 16.11,139.7 16.16,139.7 arc(16.16,139.7) 16.17,139.7 16.18,139.71 arc(16.18,139.71) 16.19,139.71 arc(16.19,139.71) 16.2,139.72 16.64,140.03 16.68,140.06 arc(16.71,140.07) 16.73,140.08 16.78,140.09 arc(16.8,140.1) 16.82,140.1 17.66,140.1 arc(17.68,140.1) 17.69,140.1 17.72,140.09 arc(17.74,140.09) 17.75,140.08 18.37,139.85 arc(18.38,139.85) 18.39,139.84 arc(18.4,139.84) 18.41,139.83 18.42,139.81 arc(18.42,139.8) 18.43,139.79 18.43,139.74 arc(18.43,139.7) 18.45,139.68 18.59,139.58 arc(18.75,139.52) 18.91,139.58 19.05,139.68 arc(19.08,139.69) 19.11,139.7 19.16,139.7 arc(19.16,139.7) 19.17,139.7 19.18,139.71 arc(19.18,139.71) 19.19,139.71 arc(19.19,139.71) 19.2,139.72 19.64,140.03 19.68,140.06 arc(19.71,140.07) 19.73,140.08 19.78,140.09 arc(19.8,140.1) 19.83,140.1 20.66,140.1 arc(20.68,140.1) 20.69,140.1 20.72,140.09 arc(20.74,140.09) 20.75,140.08 21.37,139.85 arc(21.38,139.85) 21.39,139.84 arc(21.4,139.84) 21.41,139.83 21.42,139.81 arc(21.42,139.8) 21.43,139.79 21.43,139.74 arc(21.43,139.7) 21.45,139.68 21.59,139.58 arc(21.75,139.52) 21.91,139.58 22.05,139.68 arc(22.08,139.69) 22.11,139.7 22.16,139.7 arc(22.16,139.7) 22.17,139.7 22.18,139.71 arc(22.18,139.71) 22.19,139.71 arc(22.19,139.71) 22.2,139.72 22.64,140.03 22.68,140.06 arc(22.71,140.07) 22.73,140.08 22.78,140.09 arc(22.8,140.1) 22.83,140.1 23.66,140.1 arc(23.68,140.1) 23.69,140.1 23.72,140.09 arc(23.74,140.09) 23.75,140.08 24.37,139.85 arc(24.38,139.85) 24.39,139.84 arc(24.4,139.84) 24.41,139.83 24.42,139.81 arc(24.42,139.8) 24.43,139.79 24.43,139.74 arc(24.43,139.7) 24.45,139.68 24.59,139.58 arc(24.75,139.52) 24.91,139.58 25.05,139.68 arc(25.08,139.69) 25.11,139.7 25.16,139.7 arc(25.16,139.7) 25.17,139.7 25.18,139.71 arc(25.18,139.71) 25.19,139.71 arc(25.19,139.71) 25.2,139.72 25.64,140.03 25.68,140.06 arc(25.71,140.07) 25.73,140.08 25.78,140.09 arc(25.8,140.1) 25.83,140.1 26.66,140.1 arc(26.68,140.1) 26.69,140.1 26.72,140.09 arc(26.74,140.09) 26.75,140.08 27.37,139.85 arc(27.38,139.85) 27.39,139.84 arc(27.4,139.84) 